# Altium PCB APP_EMILE.PcbDoc (part 4 of 6)
Units mil, origin at the board's own origin, x right, y up, seen from the top; angles counter-clockwise.
Board outline 7620.03 x 9320.03 mil, 12 copper layers (L1_Signal, L2_GND, L3_Signal, L4_GND, L5_Power, L6_GND, L7_GND, L8_Power, L9_GND, L10_Signal, L11_GND, L12_Signal), stack 74.268 mil thick; 395 components, 338 nets, 2140 pads, 1400 vias.
Unrouted connection lines stored in the file: 223.
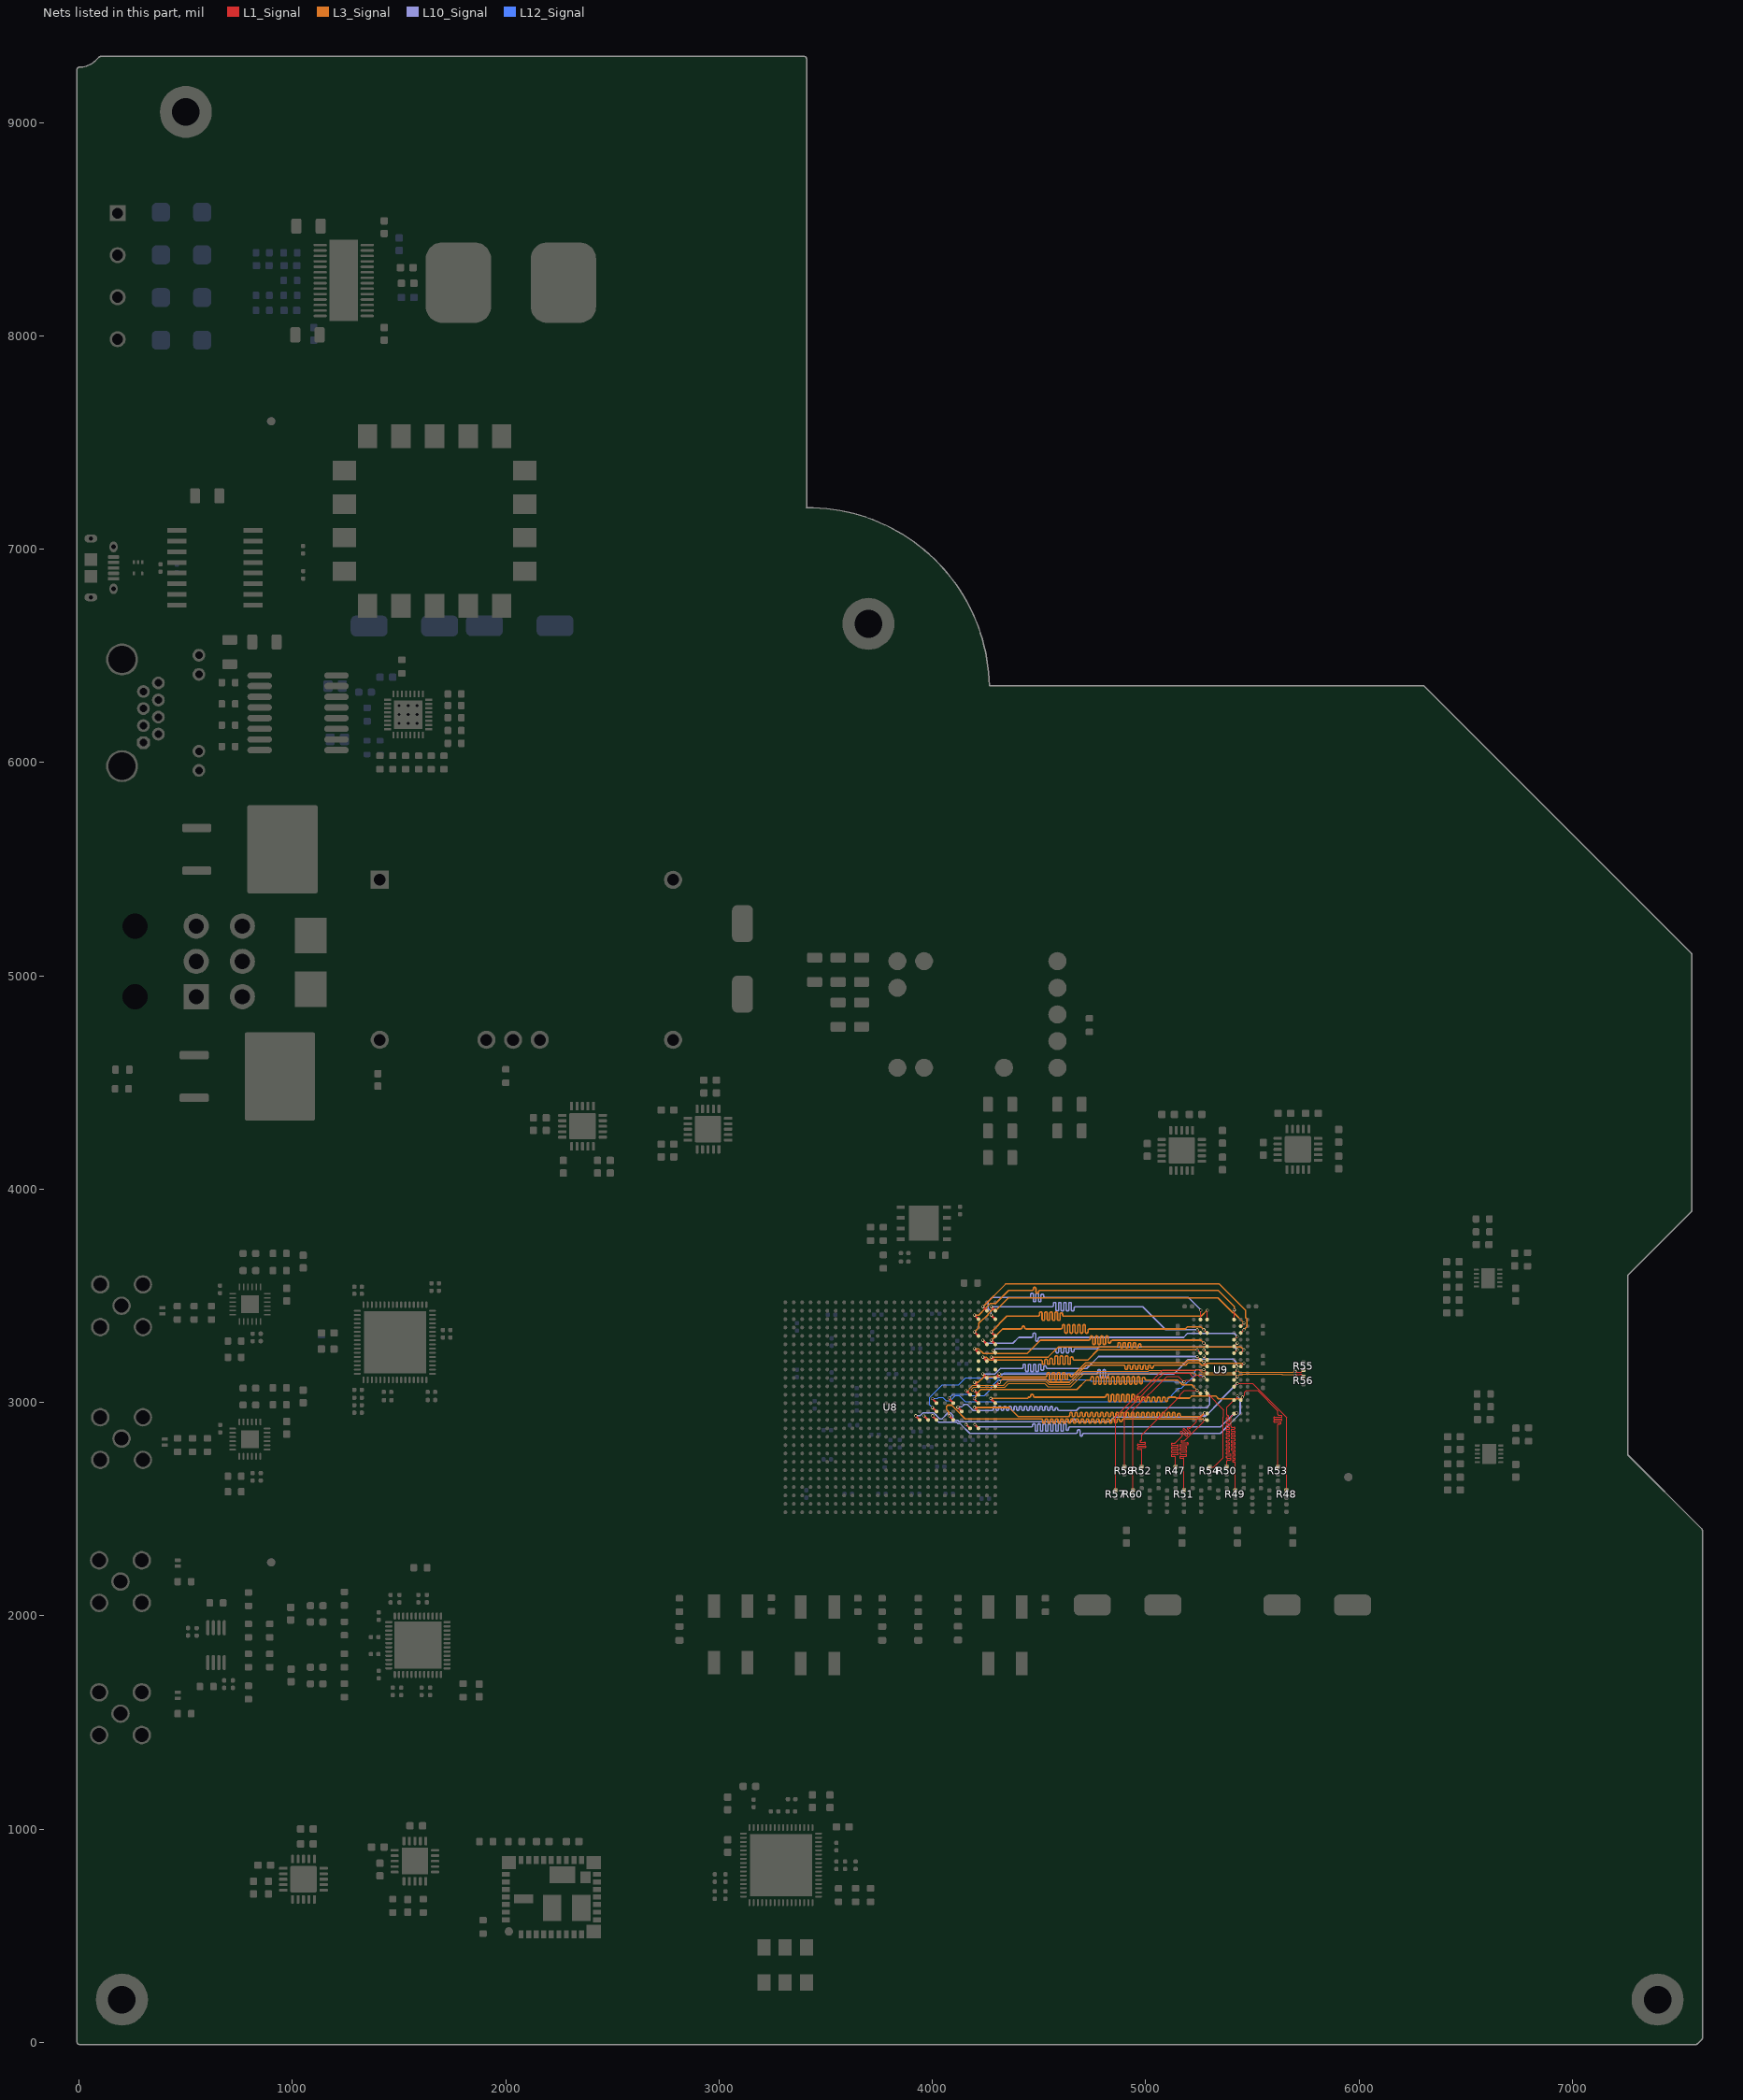
[diagram p14: the nets of this part, all layers, seen from the top]

## Via types
v1: diameter 15, hole 9, L1_Signal to L12_Signal, 719 vias
v2: diameter 15, hole 9, L1_Signal to L12_Signal, tented both sides, 553 vias
v3: diameter 19.68, hole 7.87, L1_Signal to L12_Signal, 89 vias
v4: diameter 13, hole 7, L1_Signal to L12_Signal, 15 vias
v5: diameter 19.68, hole 11.81, L1_Signal to L12_Signal, 15 vias
v6: diameter 22, hole 12, L1_Signal to L12_Signal, 9 vias

## Nets (pads, with @x,y where several pads share a name; then routed paths per layer and width w, separated by ;. In a path a pad name is that pad's centre, name@x,y a point inside that pad or via, vN(x,y) a via of type N, cw(c..) or ccw(c..) an arc to the next point about the centre after c; other vN are vias at no path point) (continued)
DDR3_A9: R47.1 U8.N3 U9.R3 | length 2433.6
  L1_Signal w4: R47.1@5140,2697.5 5140,2739.78 5140,2741.78 ccw(c5135.5,2741.78) 5135.5,2746.28 5124.5,2746.28 cw(c5124.5,2750.78) 5124.5,2755.28 5148.5,2755.28 ccw(c5148.5,2759.78) 5148.5,2764.28 5124.5,2764.28 cw(c5124.5,2768.78) 5124.5,2773.28 5148.5,2773.28 ccw(c5148.5,2777.78) 5148.5,2782.28 5124.5,2782.28 cw(c5124.5,2786.78) 5124.5,2791.28 5148.5,2791.28 ccw(c5148.5,2795.78) 5148.5,2800.28 5124.5,2800.28 cw(c5124.5,2804.78) 5124.5,2809.28 5136,2809.28 ccw(c5136,2813.78) 5139.18,2810.6 5158.79,2830.2 5169.62,2841.04 5171.04,2842.45 ccw(c5167.86,2845.63) 5171.04,2848.82 5163.26,2856.59 cw(c5166.44,2859.78) 5163.26,2862.96 cw(c5166.44,2859.78) 5169.62,2862.96 5188.9,2843.68 ccw(c5192.08,2846.87) 5195.26,2843.68 ccw(c5192.08,2846.87) 5195.26,2850.05 5175.99,2869.32 cw(c5179.17,2872.5) 5175.99,2875.69 cw(c5179.17,2872.5) 5182.35,2875.69 5201.12,2856.92 ccw(c5204.3,2860.1) 5207.48,2856.92 ccw(c5204.3,2860.1) 5207.48,2863.29 5196.49,2874.27 cw(c5199.68,2877.45) 5196.49,2880.64 cw(c5199.68,2877.45) 5202.86,2880.64 ccw(c5206.04,2883.82) 5209.22,2880.64 5218.92,2890.33 5224.2,2895.61 5239.06,2910.47 5239.06,2918.18 5250.96,2930.07 5258.66,2930.07 5273.68,2945.09 5273.68,2948.88 v1(5275.78,2950.98)
  L1_Signal w10: v1(4197.15,2976.4) 4197.15,2976.3 4216.05,2957.41 U8.N3@4216.05,2957.31
  L3_Signal w7.04: v1(4197.15,2976.4) 4197.35,2976.2 4358.8,2976.2 4402.02,2932.98 4633.16,2932.98 4636.68,2932.98 ccw(c4636.68,2940.02) 4643.71,2940.02 4643.71,2946.96 cw(c4649.73,2946.96) 4649.73,2952.98 cw(c4649.73,2946.96) 4655.75,2946.96 4655.75,2939 ccw(c4661.77,2939) 4661.77,2932.98 ccw(c4661.77,2939) 4667.79,2939 4667.79,2946.96 cw(c4673.81,2946.96) 4673.81,2952.98 cw(c4673.81,2946.96) 4679.83,2946.96 4679.83,2939 ccw(c4685.85,2939) 4685.85,2932.98 ccw(c4685.85,2939) 4691.87,2939 4691.87,2946.96 cw(c4697.89,2946.96) 4697.89,2952.98 cw(c4697.89,2946.96) 4703.91,2946.96 4703.91,2939 ccw(c4709.93,2939) 4709.93,2932.98 ccw(c4709.93,2939) 4715.95,2939 4715.95,2946.96 cw(c4721.96,2946.96) 4721.96,2952.98 cw(c4721.96,2946.96) 4727.98,2946.96 4727.98,2939 ccw(c4734,2939) 4734,2932.98 ccw(c4734,2939) 4740.02,2939 4740.02,2946.96 cw(c4746.04,2946.96) 4746.04,2952.98 cw(c4746.04,2946.96) 4752.06,2946.96 4752.06,2939 ccw(c4758.08,2939) 4758.08,2932.98 ccw(c4758.08,2939) 4764.1,2939 4764.1,2946.96 cw(c4770.12,2946.96) 4770.12,2952.98 cw(c4770.12,2946.96) 4776.14,2946.96 4776.14,2939 ccw(c4782.16,2939) 4782.16,2932.98 ccw(c4782.16,2939) 4788.18,2939 4788.18,2946.96 cw(c4794.2,2946.96) 4794.2,2952.98 cw(c4794.2,2946.96) 4800.21,2946.96 4800.21,2939 ccw(c4806.23,2939) 4806.23,2932.98 ccw(c4806.23,2939) 4812.25,2939 4812.25,2946.96 cw(c4818.27,2946.96) 4818.27,2952.98 cw(c4818.27,2946.96) 4824.29,2946.96 4824.29,2939 ccw(c4830.31,2939) 4830.31,2932.98 ccw(c4830.31,2939) 4836.33,2939 4836.33,2946.96 cw(c4842.35,2946.96) 4842.35,2952.98 cw(c4842.35,2946.96) 4848.37,2946.96 4848.37,2939 ccw(c4854.39,2939) 4854.39,2932.98 ccw(c4854.39,2939) 4860.41,2939 4860.41,2946.96 cw(c4866.43,2946.96) 4866.43,2952.98 cw(c4866.43,2946.96) 4872.45,2946.96 4872.45,2939 ccw(c4878.47,2939) 4878.47,2932.98 ccw(c4878.47,2939) 4884.48,2939 4884.48,2946.96 cw(c4890.5,2946.96) 4890.5,2952.98 cw(c4890.5,2946.96) 4896.52,2946.96 4896.52,2939 ccw(c4902.54,2939) 4902.54,2932.98 ccw(c4902.54,2939) 4908.56,2939 4908.56,2946.96 cw(c4914.58,2946.96) 4914.58,2952.98 cw(c4914.58,2946.96) 4920.6,2946.96 4920.6,2939 ccw(c4926.62,2939) 4926.62,2932.98 ccw(c4926.62,2939) 4932.64,2939 4932.64,2946.96 cw(c4938.66,2946.96) 4938.66,2952.98 cw(c4938.66,2946.96) 4944.68,2946.96 4944.68,2939 ccw(c4950.7,2939) 4950.7,2932.98 ccw(c4950.7,2939) 4956.72,2939 4956.72,2946.96 cw(c4962.73,2946.96) 4962.73,2952.98 cw(c4962.73,2946.96) 4968.75,2946.96 4968.75,2939 ccw(c4974.77,2939) 4974.77,2932.98 ccw(c4974.77,2939) 4980.79,2939 4980.79,2946.96 cw(c4986.81,2946.96) 4986.81,2952.98 cw(c4986.81,2946.96) 4992.83,2946.96 4992.83,2939 ccw(c4998.85,2939) 4998.85,2932.98 ccw(c4998.85,2939) 5004.87,2939 5004.87,2946.96 cw(c5010.89,2946.96) 5010.89,2952.98 cw(c5010.89,2946.96) 5016.91,2946.96 5016.91,2939 ccw(c5022.93,2939) 5022.93,2932.98 ccw(c5022.93,2939) 5028.95,2939 5028.95,2946.96 cw(c5034.97,2946.96) 5034.97,2952.98 cw(c5034.97,2946.96) 5040.98,2946.96 5040.98,2939 ccw(c5047,2939) 5047,2932.98 ccw(c5047,2939) 5053.02,2939 5053.02,2946.96 cw(c5059.04,2946.96) 5059.04,2952.98 cw(c5059.04,2946.96) 5065.06,2946.96 5065.06,2939 ccw(c5071.08,2939) 5071.08,2932.98 ccw(c5071.08,2939) 5077.1,2939 5077.1,2946.96 cw(c5083.12,2946.96) 5083.12,2952.98 cw(c5083.12,2946.96) 5089.14,2946.96 5089.14,2939 ccw(c5095.16,2939) 5095.16,2932.98 ccw(c5095.16,2939) 5101.18,2939 5101.18,2946.96 cw(c5107.2,2946.96) 5107.2,2952.98 cw(c5107.2,2946.96) 5113.22,2946.96 5113.22,2939 ccw(c5119.23,2939) 5119.23,2932.98 ccw(c5119.24,2939) 5125.25,2939 5125.25,2946.96 cw(c5131.27,2946.96) 5131.27,2952.98 cw(c5131.27,2946.96) 5137.29,2946.96 5137.29,2939 ccw(c5143.31,2939) 5143.31,2932.98 ccw(c5143.31,2939) 5149.33,2939 5149.33,2942.28 cw(c5155.35,2942.28) 5155.35,2948.3 cw(c5155.35,2942.28) 5161.37,2942.28 5161.37,2940.02 ccw(c5168.41,2940.02) 5168.41,2932.98 5180,2932.98 5257.78,2932.98 v1(5275.78,2950.98)
DDR3_A10: R48.1 U8.M10 U9.L7 | length 2340
  L1_Signal w4: U9.L7@5414.18,3073.7 5414.18,3073.87 5429.02,3088.71 v1(5429.02,3088.89) 5500.5,3088.89 5660,2929.39 5660,2907.41 5660,2713.71 R48.1@5660,2587.5
  L1_Signal w10: v1(3921.56,2937.18) U8.M10@3940.46,2918.29
  L10_Signal w7.04: v1(3921.56,2937.18) 3941.38,2937.18 3955.4,2951.2 4006.11,2951.2 4019.99,2937.32 4019.99,2937.04 4033.87,2923.16 4045.48,2923.16 4059.36,2937.04 4059.36,2937.32 4073.24,2951.2 4084.85,2951.2 4095.83,2940.22 4095.83,2927.52 4106.81,2916.54 4118.46,2916.54 4125,2910 4646.68,2910 4650.2,2910 ccw(c4650.2,2917.04) 4657.24,2917.04 cw(c4663.26,2917.04) 4663.26,2923.06 cw(c4663.26,2917.04) 4669.28,2917.04 ccw(c4676.32,2917.04) 4676.32,2910 4821.74,2910 4830.74,2910 4851.79,2931.06 5253.17,2931.06 5259.08,2936.96 5281.59,2936.96 5354.54,3009.92 5354.54,3014.41 v1(5429.02,3088.89)
DDR3_A11: R49.1 U8.L3 U9.R7 | length 2340
  L1_Signal w4: R49.1@5420,2587.5 5420,2715 5420,2717 ccw(c5415.5,2717) 5415.5,2721.5 5410.98,2721.5 cw(c5410.98,2726) 5410.98,2730.5 5415.82,2730.5 ccw(c5415.82,2735) 5415.82,2739.5 5410.98,2739.5 cw(c5410.98,2744) 5410.98,2748.5 5415.82,2748.5 ccw(c5415.82,2753) 5415.82,2757.5 5410.98,2757.5 cw(c5410.98,2762) 5410.98,2766.5 5415.82,2766.5 ccw(c5415.82,2771) 5415.82,2775.5 5404.31,2775.5 cw(c5404.31,2780) 5404.31,2784.5 5415.82,2784.5 ccw(c5415.82,2789) 5415.82,2793.5 5404.31,2793.5 cw(c5404.31,2798) 5404.31,2802.5 5415.82,2802.5 ccw(c5415.82,2807) 5415.82,2811.5 5404.31,2811.5 cw(c5404.31,2816) 5404.31,2820.5 5415.82,2820.5 ccw(c5415.82,2825) 5415.82,2829.5 5404.31,2829.5 cw(c5404.31,2834) 5404.31,2838.5 5415.82,2838.5 ccw(c5415.82,2843) 5415.82,2847.5 5404.31,2847.5 cw(c5404.31,2852) 5404.31,2856.5 5415.82,2856.5 ccw(c5415.82,2861) 5415.82,2865.5 5404.31,2865.5 cw(c5404.31,2870) 5404.31,2874.5 5414.57,2874.5 ccw(c5414.57,2879) 5414.57,2883.5 5404.82,2883.5 cw(c5404.82,2888) 5400.32,2888 5400.32,2915 5400.32,2933.85 U9.R7@5414.18,2947.71 5415.81,2949.35 5424.96,2949.35 v1(5426.6,2950.98)
  L1_Signal w10: v1(4198.64,2895.98) U8.L3@4216.05,2878.57
  L10_Signal w7.04: v1(4198.64,2895.98) 4200.79,2895.98 4211.77,2885 4459.53,2885 4463.05,2885 ccw(c4463.05,2892.04) 4470.09,2892.04 4470.09,2893.94 cw(c4476.11,2893.94) 4476.11,2899.96 cw(c4476.11,2893.94) 4482.13,2893.94 4482.13,2871.06 ccw(c4488.14,2871.06) 4488.14,2865.04 ccw(c4488.14,2871.06) 4494.16,2871.06 4494.16,2893.94 cw(c4500.18,2893.94) 4500.18,2899.96 cw(c4500.18,2893.94) 4506.2,2893.94 4506.2,2871.06 ccw(c4512.22,2871.06) 4512.22,2865.04 ccw(c4512.22,2871.06) 4518.24,2871.06 4518.24,2893.94 cw(c4524.26,2893.94) 4524.26,2899.96 cw(c4524.26,2893.94) 4530.28,2893.94 4530.28,2871.06 ccw(c4536.3,2871.06) 4536.3,2865.04 ccw(c4536.3,2871.06) 4542.32,2871.06 4542.32,2893.94 cw(c4548.34,2893.94) 4548.34,2899.96 cw(c4548.34,2893.94) 4554.36,2893.94 4554.36,2871.06 ccw(c4560.38,2871.06) 4560.38,2865.04 ccw(c4560.38,2871.06) 4566.39,2871.06 4566.39,2893.94 cw(c4572.41,2893.94) 4572.41,2899.96 cw(c4572.41,2893.94) 4578.43,2893.94 4578.43,2871.06 ccw(c4584.45,2871.06) 4584.45,2865.04 ccw(c4584.45,2871.06) 4590.47,2871.06 4590.47,2893.94 cw(c4596.49,2893.94) 4596.49,2899.96 cw(c4596.49,2893.94) 4602.51,2893.94 4602.51,2871.06 ccw(c4608.53,2871.06) 4608.53,2865.04 ccw(c4608.53,2871.06) 4614.55,2871.06 4614.55,2893.94 cw(c4620.57,2893.94) 4620.57,2899.96 cw(c4620.57,2893.94) 4626.59,2893.94 4626.59,2874.93 ccw(c4632.61,2874.93) 4632.61,2868.91 ccw(c4632.61,2874.93) 4638.63,2874.93 4638.63,2877.96 cw(c4645.66,2877.96) 4645.66,2885 4867.99,2885 5351.11,2885 5406.59,2940.47 5413.93,2940.47 5424.44,2950.98 v1(5426.6,2950.98)
DDR3_A12: R50.1 U8.M8 U9.N7 | length 2340
  L1_Signal w4: R50.1@5380,2697.5 5380,2715 5380,2726 cw(c5384.5,2726) 5384.5,2730.5 5395.5,2730.5 ccw(c5395.5,2735) 5395.5,2739.5 5381.5,2739.5 cw(c5381.5,2744) 5381.5,2748.5 5395.5,2748.5 ccw(c5395.5,2753) 5395.5,2757.5 5381.5,2757.5 cw(c5381.5,2762) 5381.5,2766.5 5388.82,2766.5 ccw(c5388.82,2771) 5388.82,2775.5 5381.5,2775.5 cw(c5381.5,2780) 5381.5,2784.5 5388.82,2784.5 ccw(c5388.82,2789) 5388.82,2793.5 5381.5,2793.5 cw(c5381.5,2798) 5381.5,2802.5 5388.82,2802.5 ccw(c5388.82,2807) 5388.82,2811.5 5381.5,2811.5 cw(c5381.5,2816) 5381.5,2820.5 5388.82,2820.5 ccw(c5388.82,2825) 5388.82,2829.5 5381.5,2829.5 cw(c5381.5,2834) 5381.5,2838.5 5388.82,2838.5 ccw(c5388.82,2843) 5388.82,2847.5 5381.5,2847.5 cw(c5381.5,2852) 5381.5,2856.5 5388.82,2856.5 ccw(c5388.82,2861) 5388.82,2865.5 5381.5,2865.5 cw(c5381.5,2870) 5381.5,2874.5 5388.82,2874.5 ccw(c5388.82,2879) 5388.82,2883.5 5381.5,2883.5 cw(c5381.5,2888) 5381.5,2892.5 5388.82,2892.5 ccw(c5388.82,2897) 5388.82,2901.5 5381.5,2901.5 cw(c5381.5,2906) 5381.5,2910.5 5388.82,2910.5 ccw(c5388.82,2915) 5388.82,2919.5 5381.5,2919.5 cw(c5381.5,2924) 5381.5,2928.5 5384.75,2928.5 ccw(c5384.75,2933) 5384.75,2937.5 5384.5,2937.5 cw(c5384.5,2942) 5380,2942 5380,2961.64 5380,2976.52 U9.N7@5414.18,3010.7 5427.82,3024.35 5427.82,3028.84 v1(5429.93,3030.94)
  L1_Signal w10: v1(4000.3,2937.18) U8.M8@4019.2,2918.29
  L10_Signal w7.04: v1(4000.3,2937.18) 4030.99,2906.5 4114.3,2906.5 4120.84,2899.96 4131.2,2899.96 4176.16,2855 4669.28,2855 4672.8,2855 ccw(c4672.8,2862.04) 4679.84,2862.04 4679.84,2865.93 cw(c4685.86,2865.93) 4685.86,2871.95 cw(c4685.86,2865.93) 4691.88,2865.93 4691.88,2847.96 ccw(c4697.9,2847.96) 4697.9,2841.94 ccw(c4697.9,2847.96) 4703.92,2847.96 cw(c4710.96,2847.96) 4710.96,2855 5070,2855 5350.44,2855 5443.04,2947.6 5443.04,3015.73 5429.93,3028.84 v1(5429.93,3030.94)
DDR3_A13: R51.1 U8.M6 U9.T3 | length 2433.6
  L1_Signal w4: R51.1@5180,2587.5 5180,2732.5 5180,2734.5 ccw(c5175.5,2734.5) 5175.5,2739 5164.5,2739 cw(c5164.5,2743.5) 5164.5,2748 5188.5,2748 ccw(c5188.5,2752.5) 5188.5,2757 5164.5,2757 cw(c5164.5,2761.5) 5164.5,2766 5188.5,2766 ccw(c5188.5,2770.5) 5188.5,2775 5164.5,2775 cw(c5164.5,2779.5) 5164.5,2784 5188.5,2784 ccw(c5188.5,2788.5) 5188.5,2793 5164.5,2793 cw(c5164.5,2797.5) 5164.5,2802 5195.5,2802 ccw(c5195.5,2806.5) 5195.5,2811 5169.62,2811 cw(c5169.62,2815.5) 5169.62,2820 5179.62,2820 ccw(c5179.62,2824.5) 5182.8,2821.32 5194.04,2832.56 5274.09,2912.61 5274.09,2922.18 v1(5274.85,2922.94) 5277.83,2922.94 5284.55,2916.22 U9.T3@5288.2,2916.22
  L1_Signal w10: v1(4079.04,2937.18) U8.M6@4097.94,2918.29
  L3_Signal w7.04: v1(4079.04,2937.18) 4077.64,2938.59 4077.64,2955.24 4065.8,2967.09 4065.8,2981.59 4071.27,2987.06 4090.14,2987.06 4113.77,2963.43 4154.26,2922.94 4494.02,2922.94 4509.58,2922.94 cw(c4509.58,2915.9) 4516.62,2915.9 4516.62,2908.96 ccw(c4522.64,2908.96) 4522.64,2902.94 ccw(c4522.64,2908.96) 4528.66,2908.96 4528.66,2916.92 cw(c4534.68,2916.92) 4534.68,2922.94 cw(c4534.68,2916.92) 4540.7,2916.92 4540.7,2908.96 ccw(c4546.71,2908.96) 4546.71,2902.94 ccw(c4546.71,2908.96) 4552.73,2908.96 4552.73,2916.92 cw(c4558.75,2916.92) 4558.75,2922.94 cw(c4558.75,2916.92) 4564.77,2916.92 4564.77,2908.96 ccw(c4570.79,2908.96) 4570.79,2902.94 ccw(c4570.79,2908.96) 4576.81,2908.96 4576.81,2916.92 cw(c4582.83,2916.92) 4582.83,2922.94 cw(c4582.83,2916.92) 4588.85,2916.92 4588.85,2908.96 ccw(c4594.87,2908.96) 4594.87,2902.94 ccw(c4594.87,2908.96) 4600.89,2908.96 4600.89,2916.92 cw(c4606.91,2916.92) 4606.91,2922.94 cw(c4606.91,2916.92) 4612.93,2916.92 4612.93,2908.96 ccw(c4618.95,2908.96) 4618.95,2902.94 ccw(c4618.95,2908.96) 4624.97,2908.96 4624.97,2916.92 cw(c4630.98,2916.92) 4630.98,2922.94 cw(c4630.98,2916.92) 4637,2916.92 4637,2908.96 ccw(c4643.02,2908.96) 4643.02,2902.94 ccw(c4643.02,2908.96) 4649.04,2908.96 4649.04,2916.92 cw(c4655.06,2916.92) 4655.06,2922.94 cw(c4655.06,2916.92) 4661.08,2916.92 4661.08,2908.96 ccw(c4667.1,2908.96) 4667.1,2902.94 ccw(c4667.1,2908.96) 4673.12,2908.96 4673.12,2916.92 cw(c4679.14,2916.92) 4679.14,2922.94 cw(c4679.14,2916.92) 4685.16,2916.92 4685.16,2908.96 ccw(c4691.18,2908.96) 4691.18,2902.94 ccw(c4691.18,2908.96) 4697.2,2908.96 4697.2,2916.92 cw(c4703.22,2916.92) 4703.22,2922.94 cw(c4703.22,2916.92) 4709.23,2916.92 4709.23,2908.96 ccw(c4715.25,2908.96) 4715.25,2902.94 ccw(c4715.25,2908.96) 4721.27,2908.96 4721.27,2916.92 cw(c4727.29,2916.92) 4727.29,2922.94 cw(c4727.29,2916.92) 4733.31,2916.92 4733.31,2908.96 ccw(c4739.33,2908.96) 4739.33,2902.94 ccw(c4739.33,2908.96) 4745.35,2908.96 4745.35,2916.92 cw(c4751.37,2916.92) 4751.37,2922.94 cw(c4751.37,2916.92) 4757.39,2916.92 4757.39,2908.96 ccw(c4763.41,2908.96) 4763.41,2902.94 ccw(c4763.41,2908.96) 4769.43,2908.96 4769.43,2916.92 cw(c4775.45,2916.92) 4775.45,2922.94 cw(c4775.45,2916.92) 4781.47,2916.92 4781.47,2908.96 ccw(c4787.48,2908.96) 4787.48,2902.94 ccw(c4787.48,2908.96) 4793.5,2908.96 4793.5,2916.92 cw(c4799.52,2916.92) 4799.52,2922.94 cw(c4799.52,2916.92) 4805.54,2916.92 4805.54,2908.96 ccw(c4811.56,2908.96) 4811.56,2902.94 ccw(c4811.56,2908.96) 4817.58,2908.96 4817.58,2916.92 cw(c4823.6,2916.92) 4823.6,2922.94 cw(c4823.6,2916.92) 4829.62,2916.92 4829.62,2908.96 ccw(c4835.64,2908.96) 4835.64,2902.94 ccw(c4835.64,2908.96) 4841.66,2908.96 4841.66,2916.92 cw(c4847.68,2916.92) 4847.68,2922.94 cw(c4847.68,2916.92) 4853.7,2916.92 4853.7,2910.64 ccw(c4859.72,2910.64) 4859.72,2904.62 ccw(c4859.72,2910.64) 4865.74,2910.64 4865.74,2916.92 cw(c4871.75,2916.92) 4871.75,2922.94 cw(c4871.75,2916.92) 4877.77,2916.92 4877.77,2915.9 ccw(c4883.79,2915.9) 4883.79,2909.88 ccw(c4883.79,2915.9) 4889.81,2915.9 cw(c4896.85,2915.9) 4896.85,2922.94 5083.12,2922.94 v1(5274.85,2922.94)
DDR3_BA0: R52.1 U8.P3 U9.M2 | length 2433.6
  L1_Signal w3: R52.1@4981,2697.5 4981,2774.78 4981,2776.28 ccw(c4977,2776.28) 4977,2780.28 4965,2780.28 cw(c4965,2784.28) 4965,2788.28 4997,2788.28 ccw(c4997,2792.28) 4997,2796.28 4965,2796.28 cw(c4965,2800.28) 4965,2804.28 4994.98,2804.28 ccw(c4994.98,2808.28) 4994.98,2812.28 4977,2812.28 cw(c4977,2816.28) 4977,2820.28 ccw(c4977,2824.28) 4981,2824.28 4981,2834.89 4981,2847.79 5162.06,3028.85 5162.06,3037.43 5181.67,3057.04 v1(5241.5,3057.04)
  L1_Signal w4: v1(5241.5,3057.04) 5241.68,3057.04 5256.52,3042.2 U9.M2@5256.7,3042.2
  L1_Signal w10: v1(4197.15,3017.98) 4198.11,3017.02 4198.11,3014.62 U8.P3@4216.05,2996.68
  L3_Signal w7.04: v1(4197.15,3017.98) 4197.15,3020.14 4206.6,3029.58 4206.6,3039.05 4227.59,3060.04 4676.95,3060.04 4721.91,3105 4732.89,3105 4736.41,3105 ccw(c4736.41,3112.04) 4743.45,3112.04 ; 4743.45,3114.75 cw(c4749.47,3114.75) 4755.49,3114.75 4755.49,3091.02 ccw(c4761.51,3091.02) 4767.53,3091.02 4767.53,3114.75 cw(c4773.55,3114.75) 4779.56,3114.75 4779.56,3091.02 ccw(c4785.58,3091.02) 4791.6,3091.02 4791.6,3114.75 cw(c4797.62,3114.75) 4803.64,3114.75 4803.64,3091.02 ccw(c4809.66,3091.02) 4815.68,3091.02 4815.68,3114.75 cw(c4821.7,3114.75) 4827.72,3114.75 4827.72,3091.02 ccw(c4833.74,3091.02) 4839.75,3091.02 4839.75,3114.75 cw(c4845.77,3114.75) 4851.79,3114.75 4851.79,3091.02 ccw(c4857.81,3091.02) 4863.83,3091.02 4863.83,3114.75 cw(c4869.85,3114.75) 4875.87,3114.75 4875.87,3091.02 ccw(c4881.89,3091.02) 4887.91,3091.02 4887.91,3114.75 cw(c4893.93,3114.75) 4899.94,3114.75 4899.94,3091.02 ccw(c4905.96,3091.02) 4911.98,3091.02 4911.98,3114.75 cw(c4918,3114.75) 4924.02,3114.75 4924.02,3091.02 ccw(c4930.04,3091.02) 4936.06,3091.02 4936.06,3114.75 cw(c4942.08,3114.75) 4948.1,3114.75 4948.1,3091.02 ccw(c4954.12,3091.02) 4960.13,3091.02 4960.13,3114.75 cw(c4966.15,3114.75) 4972.17,3114.75 4972.17,3093.4 ccw(c4978.19,3093.4) 4984.21,3093.4 4984.21,3112.04 cw(c4990.23,3112.04) 4996.25,3112.04 ccw(c5003.29,3112.04) 5003.29,3105 5097.31,3105 5149.8,3105 5172.84,3081.96 5216.58,3081.96 v1(5241.5,3057.04) ; 4743.45,3112.04 4743.45,3114.75
DDR3_BA1: R53.1 U8.P1 U9.N8 | length 2434.2
  L1_Signal w3: v1(5453.91,3024.68) 5463.81,3034.58 5463.81,3047.73 5471.64,3055.56 5524.64,3055.56 5620,2960.2 5620,2944.91 5620,2943.41 ccw(c5624,2943.41) 5624,2939.41 5636,2939.41 cw(c5636,2935.41) 5636,2931.41 5604,2931.41 ccw(c5604,2927.41) 5604,2923.41 5636,2923.41 cw(c5636,2919.41) 5636,2915.41 5604,2915.41 ccw(c5604,2911.41) 5604,2907.41 5630.67,2907.41 cw(c5630.67,2903.41) 5630.67,2899.41 5624,2899.41 ccw(c5624,2895.41) 5620,2895.41 5620,2755.93 R53.1@5620,2697.5